# Allegro board Flatburn-main PCB.brd (continued)
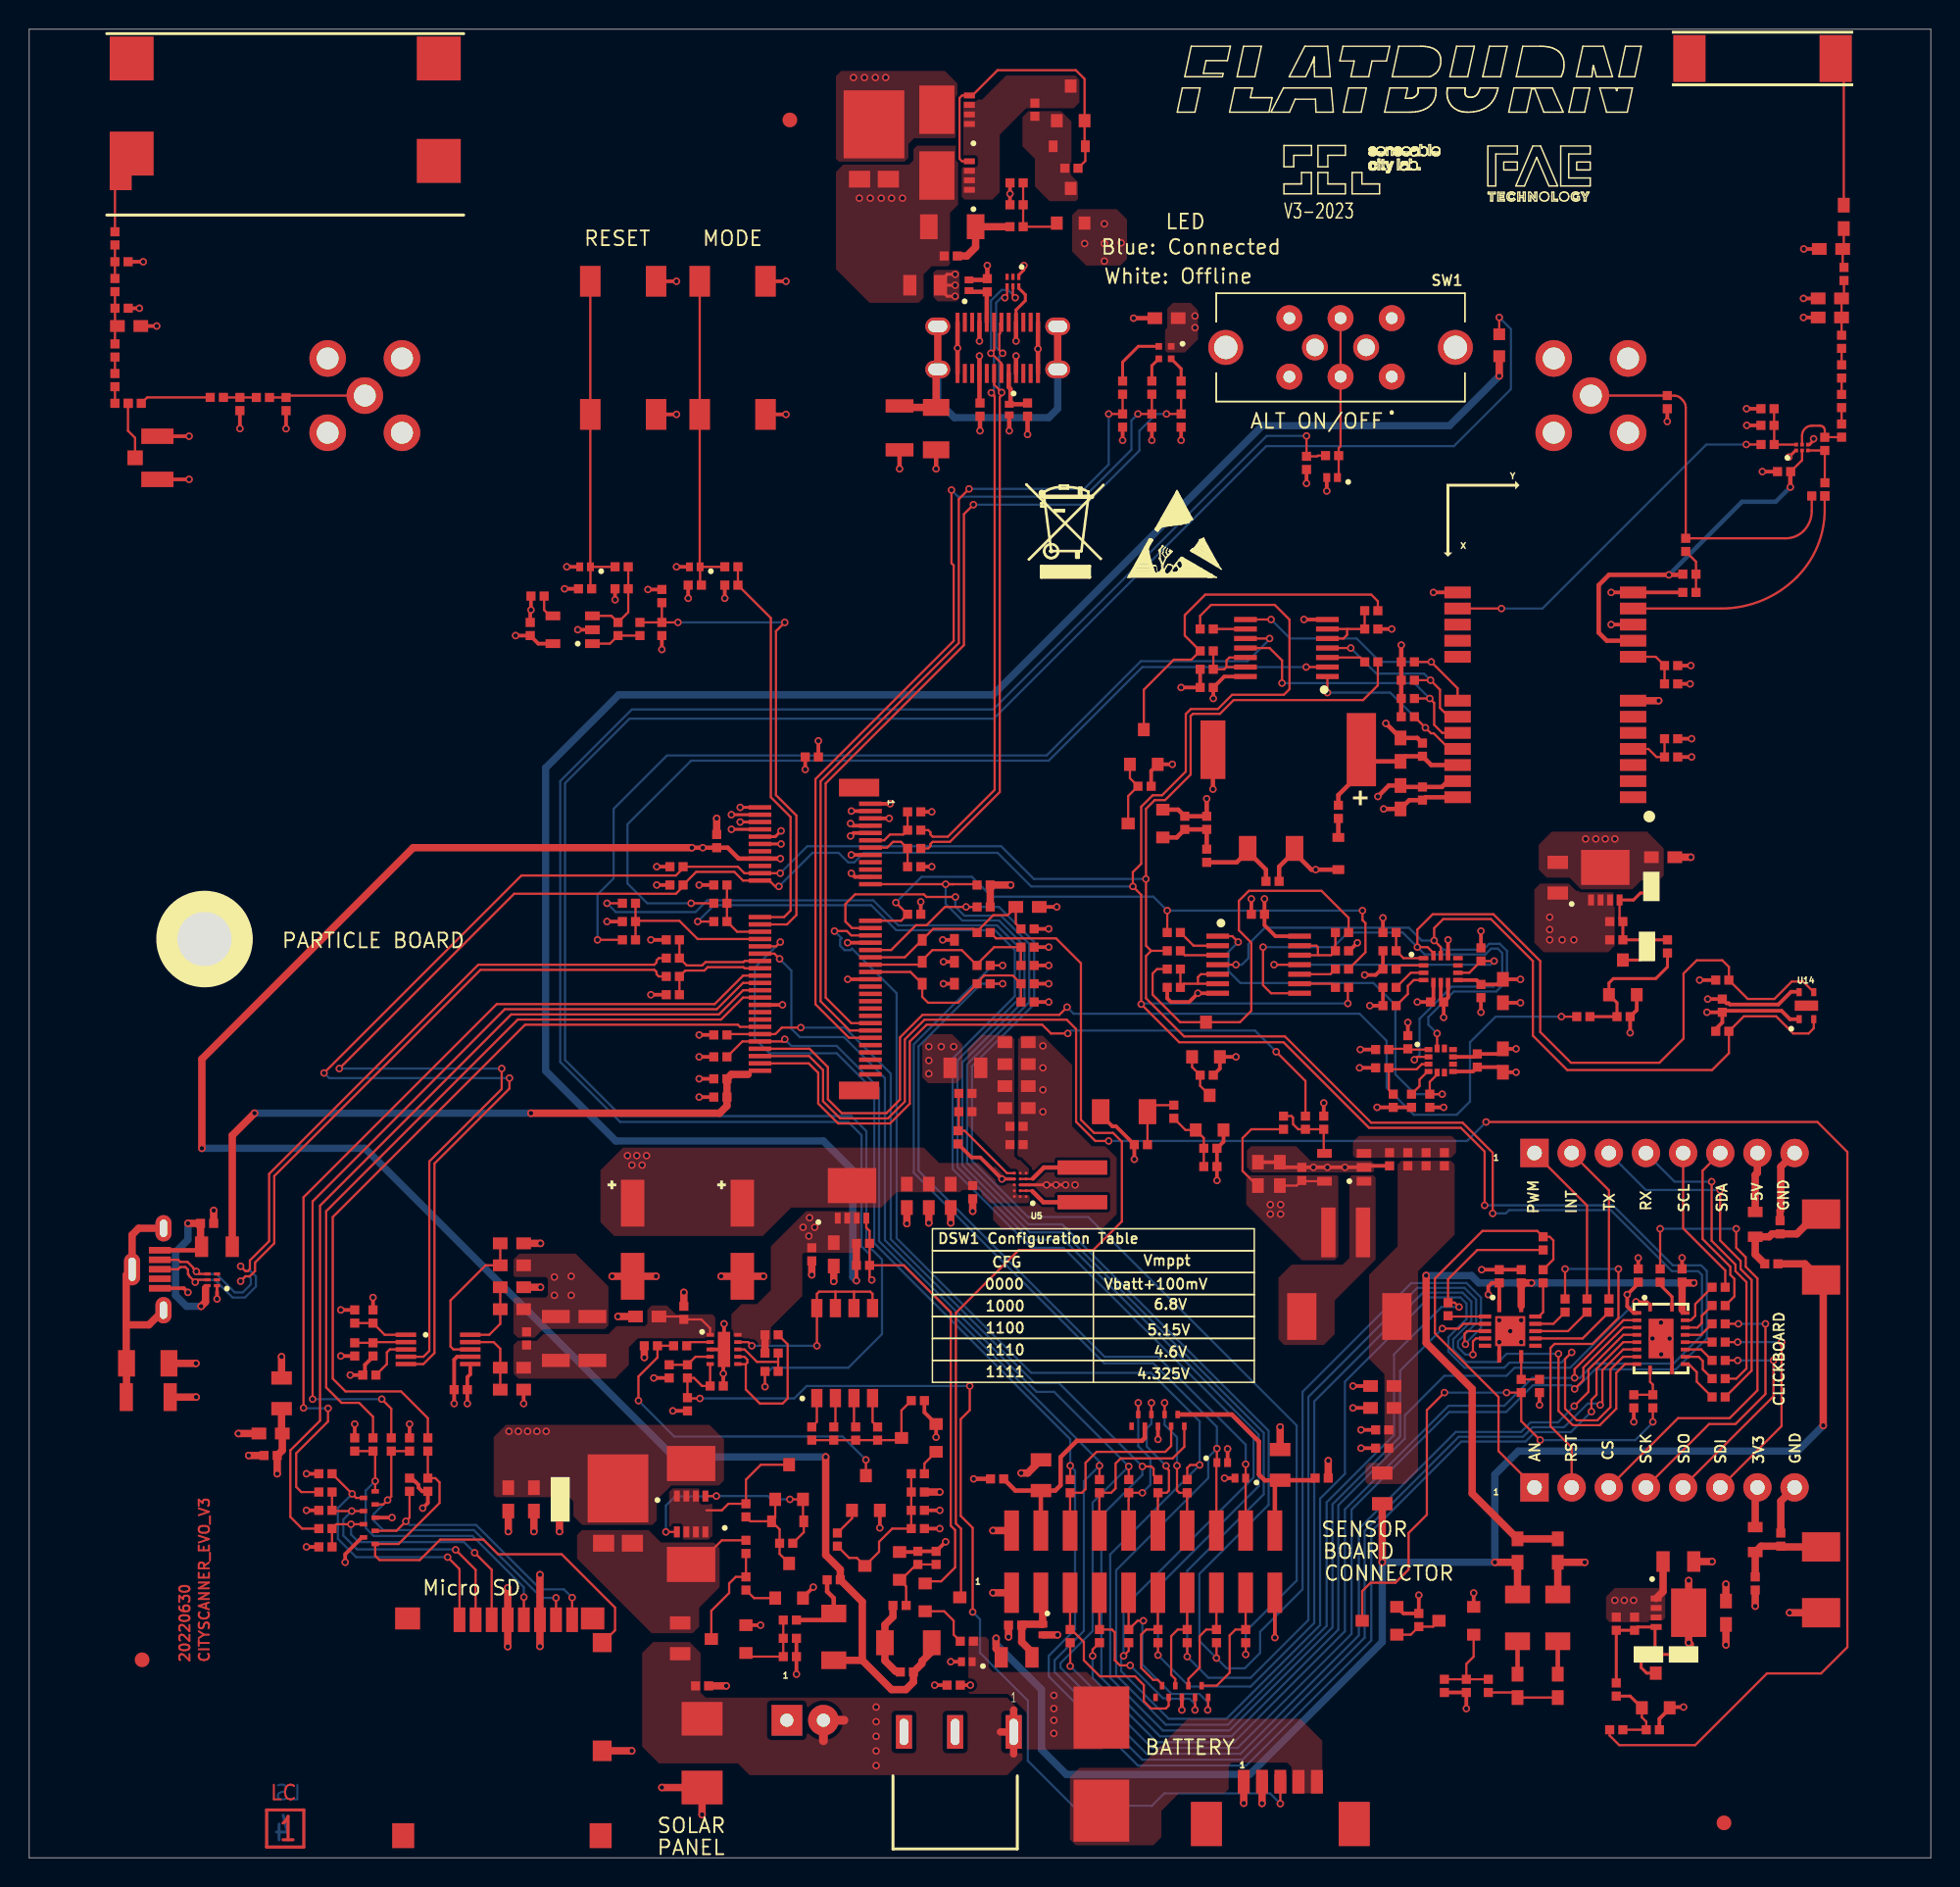
[diagram p0: board, top side]
## Routing (per net, layer and track width the routed paths; a pad name or vN(x,y) marks a point on that pad's centre or on a via; arc(x,y) is an arc through that point) (continued)
GND_ANALOG: length 10.9
  TOP w0.25: C74.2 v1(69.7,58.5) ; C72.2 v1(70.25,65) ; R149.1 v1(53.05,74.4) ; R145.1 v1(69.7,59.75) ; J12.49 v1(55.95,60.05) ; C73.2 v1(69.7,62.25) ; R144.1 v1(69.7,61) ; J12.39 v1(55.95,62.55) ; v1(64.34,11.8) R9.1 ; R143.1 v1(69.7,63.5)
GND_DIGITAL: length 377.3
  TOP w0.2: v1(68,108.85) 68,108.55 67.65,108.2 TVS3.1 ; U5.D3 v1(66.5,46.4) ; v1(121.99,97) 121.99,97 122,97 121.95,96.95 121.95,96.85 121.71,96.61 U16.4 ; v1(120.3,95.75) 120.76,96.21 U16.1 ; v1(70.85,46) v1(70.2,46) v1(69.55,46) U5.C1 U5.C2 ; 12.84,38.71 TVS6.1
  TOP w0.25: R223.1 R220.1 v1(91.65,58.25) ; Q25.2 81.65,48.95 R236.2 C100.1 v1(81.2,46.3) ; C98.2 97,58.8 U13.7 ; C98.2 v1(96.7,57.45) ; C98.2 96.5,58.7 U13.6 ; J12.3 v1(56.2,71.55) ; J12.9 56.35,70.05 v1(56.15,69.85) ; TVS9.2 v1(81.93,27.95) ; v1(92.15,51.3) C103.2 R251.2 ; C65.2 v1(42.3,86.7) ; R130.1 v1(34.3,85.3) 34.25,85.25 C62.2 ; U4.7 29.25,34.25 29.05,34.05 C30.2 v1(29.05,31.05) ; J12.1 v1(58.85,72.05) ; C8.1 v1(67.05,113.75) R17.1 ; R59.1 v1(109.7,29.8) ; Q15.2 60.7,20.9 R90.1 C33.2 v1(62.65,21.6) ; v1(62,28.75) Q16.2 61.2,30.45 R91.1 ; J15.2 v1(10.93,97.18) ; PB1.1 v1(44.25,107.77) ; U1.7 v1(100.5,35.25) ; v1(51.73,107.77) 50.75,107.77 PB2.1 ; U12.9 98.8,54.75 C93.2 100.4,54.95 C97.2 v1(101.65,55.3) ; v1(108.15,86.5) MOD1.12 C84.2 ; TVS17.2 v1(111.99,98.19) ; v1(52.45,12.55) C5.1 R7.1 ; L12.2 v1(8.71,104.71) ; J7.19 v1(85.16,15.05) ; R149.2 v1(53.95,76.35) ; J12.7 56.3,70.55 v1(56.15,70.7) ; J12.56 v1(51.5,58.3) ; R104.1 91.35,47.3 U6.2 v1(89.95,47.2) v1(88.75,47.2) v1(87.8,47.2) C55.2 85.85,47.2 C56.2 C57.2 ; R233.1 77.8,58.75 78.05,58.5 79.3,58.5 v1(79.9,59.1) U15.7 ; v1(114.75,58.7) C96.2 116.03,58.42 116.19,58.42 116.27,58.33 119.58,58.33 120.45,59.2 120.97,59.2 U14.4 ; C4.1 36.25,23.65 ; TVS7.3 v1(77.17,28.6) ; v1(66.5,46.4) 65.02,47.88 64.42,47.88 R103.1 ; U3.3 U3.11 ; U3.11 47.45,34.7 v1(47.45,33.1) C28.2 ; U3.11 v1(47.5,36.5) ; C18.2 C17.2 v1(99.3,40.2) ; C94.2 v1(101.95,58.45) ; C54.2 v1(91.05,28) ; C16.2 v1(113,41.01) ; Q12.2 v1(98.75,18.1) ; Q19.2 109.9,57.95 R115.1 v1(109.45,56.4) ; C51.2 v1(90.5,32.25) ; J12.21 56.45,67.05 v1(56.2,67.3) ; L20.2 v1(121.3,105.3) ; v1(10.85,38.65) 10.57,38.93 J8.5 ; C67.2 v1(61.7,71.5) ; R221.1 R222.1 92.45,60.75 92.05,60.35 v1(91.3,60.35) ; MOD1.13 v1(96,86.5) ; v1(98.25,10.2) C14.1 R57.2 ; Q5.2 52.9,17.8 v1(53.6,18.5) ; U2.11 112.31,34.19 111.56,34.94 U2.21 ; C15.2 v1(110,41) ; TVS2.2 v1(63,13.4) ; R92.1 v1(21.3,34.3) ; C68.2 v1(61.7,67.75) ; R60.1 v1(103.25,30.95) ; C99.2 v1(83.55,65.55) ; R235.1 90.25,62 v1(90.8,62.55) ; C83.1 v1(7.53,105.93) ; TVS14.2 v1(44.25,88.25) ; Q4.2 v1(50,15.9) ; R254.1 v1(91,55.25) ; R212.1 C91.2 v1(78.75,80) ; Q14.2 v1(58.15,22.55) ; MOD1.10 v1(108.15,84.3) ; C69.2 v1(42.5,59) ; U11.7 v1(87.15,84.65) ; R211.1 v1(93.15,84) ; J12.5 v1(58.8,71.05) ; L16.2 v1(121.32,109.98) ; J12.15 v1(56.2,68.55) ; TVS13.2 v1(36.75,88.25) ; R255.1 v1(113.65,76.5) ; U7.2 v1(37.5,83.95) ; C75.2 v1(45.8,53.25) ; PB2.2 v1(51.73,98.67) ; C35.2 v1(33.8,31.05) ; C63.2 v1(40.05,86) ; R240.1 v1(117.42,97.92) ; R9.2 v1(61.9,11.8) ; L19.2 v1(121.3,106.6) ; PB1.2 v1(44.25,98.67) ; C64.2 v1(47.55,86.1) ; R246.2 v1(14.4,97.7) ; R86.1 v1(44,30.55) ; v1(12.84,38.2) 12.84,38.71 ; C95.2 v1(99.25,57.8) ; C70.2 v1(42.5,62.75) ; v1(113.1,10.3) 112.2,10.3 Q20.2 112.15,10.2 111.45,9.5 R114.1 ; L13.2 v1(7.79,109.11) ; R146.1 v1(45.8,52) ; R93.1 v1(21.3,37.45) ; C29.2 v1(87.32,93.95) ; C27.2 v1(42.7,32.8) ; TVS12.2 v1(88.71,93.44) ; C53.2 v1(91.05,29.25) ; R94.1 v1(62.25,23.75) ; C37.2 v1(62.25,22.5) ; C52.2 v1(90.5,30.75) ; TVS11.3 v1(78.8,10.1) ; J15.3 v1(10.93,94.23) ; TVS15.3 v1(24.8,23.25) ; TVS16.2 v1(17.56,97.69) ; C101.2 v1(118.49,94.76) ; TVS8.2 v1(81.72,25.95) ; R105.1 v1(88.5,51.6) ; C90.2 v1(113.55,80.25)
  TOP w0.3: C6.1 v1(62,94.95) ; J6.A1 v1(68.96,103.15) J6.B12 ; v1(65.5,108.85) R16.1 65.41,107.87 TVS5.2 ; R15.1 v1(59.5,94.95) ; v1(80.5,72.4) R213.2 C92.1 78.55,71.65 Q23.2 ; C85.2 v1(80.92,73.05) ; C7.2 v1(65,97.55) ; C78.2 v1(75.5,105.25) ; C87.2 94.9,76.55 C86.2 v1(92.75,77.55) ; J6.B1 v1(63.46,103.2) J6.A12 ; R14.1 v1(68.25,97.3) ; C10.2 v1(64.57,25.9) ; MOD1.24 95.45,72.5 C88.2 94.35,72.3 C89.2 v1(92.6,71.7) ; TVS4.2 v1(67,97.55)
  TOP w0.5: J4.1 v1(83.03,3.73) ; J10.8 119.75,47.24 119.75,44.29 119.7,44.24 C20.2 ; v1(47.3,39.75) C21.2 v1(50.2,39.75) ; C3.2 v1(34.5,22.3) ; 36.25,23.65 v1(36.25,22.3) ; v1(43.25,4.8) TVS1.2 v1(46,2.95) ; R31.1 v1(11.41,31.49) ; C36.2 v1(53.5,39.85) ; C25.2 v1(40.25,37) ; C13.2 v1(12.61,44.25) ; C41.2 v1(60,43.35) ; C12.1 v1(11.4,33.8) ; C9.2 v1(88.81,27.14) ; C60.2 v1(113.6,68.4) ; C79.2 v1(15,27.5) ; C34.2 v1(34.95,39) ; J7.1 v1(65.88,18.12) ; C80.2 v1(14.3,29) ; C1.2 v1(47.65,11.75) ; C32.2 v1(55,39.4) ; R85.1 v1(42.05,34.2) ; J9.8 119.75,24.38 C19.1 ; v1(39.85,39.75) C23.2 v1(42.85,39.75) ; C61.2 v1(116,14.55) ; v1(34.91,14.45) J13.6 v1(34.91,19.35) ; C26.2 v1(44.75,38.65) ; J7.2 v1(65.88,22.37) ; C11.2 v1(66.95,15.1) ; C44.2 v1(64.5,44.2) ; C42.2 v1(61.5,43.4) ; J13.10 v1(41.19,7.31) ; C71.2 v1(47,71.05) ; C2.2 v1(32.75,22.3) ; C43.2 v1(63,43.4) ; TVS10.2 v1(70.3,15.23) ; MOD1.7 v1(111.4,79.1) ; J4.2 v1(84.28,3.72) ; C31.2 v1(34.95,42)
  GND w0.403: 104.23,100.89 J16.2 ; J16.2 105.83,102.5 ; J16.2 102.63,102.5 ; J16.2 104.23,104.1 ; 8.63,62.8 OBJ1.1 ; OBJ1.1 11.98,59.45 ; OBJ1.1 15.33,62.8 ; OBJ1.1 11.98,66.16 ; 63.3,7.1 J2.3 ; J2.3 63.3,10.1 ; J2.3 64.2,8.6 ; J2.3 62.4,8.6 ; 107.71,102.5 J16.3 ; J16.3 109.31,104.1 ; J16.3 110.91,102.5 ; J16.3 109.31,100.89 ; SW1.6 87.39,105.25 ; SW1.6 86.15,106.49 ; SW1.6 86.15,104.01 ; SW1.6 84.91,105.25 ; 104.23,95.81 J16.4 ; J16.4 102.63,97.42 ; J16.4 104.23,99.02 ; J16.4 105.83,97.42 ; J2.2 59.8,10.1 ; J2.2 60.7,8.6 ; J2.2 59.8,7.1 ; J2.2 58.9,8.6 ; 20.4,95.81 J14.4 ; J14.4 20.4,99.02 ; J14.4 22,97.42 ; J14.4 18.8,97.42 ; J9.8 122.01,25.32 ; J9.8 120.69,24 ; J9.8 120.69,26.64 ; 86.15,100.01 SW1.3 ; SW1.3 84.91,101.25 ; SW1.3 87.39,101.25 ; SW1.3 86.15,102.49 ; 51.8,8 J1.1 ; J1.1 50.39,9.4 ; J1.1 51.8,10.8 ; J14.3 25.48,104.1 ; J14.3 25.48,100.89 ; J14.3 23.88,102.5 ; J14.3 27.08,102.5 ; 109.31,95.81 J16.5 ; J16.5 110.91,97.42 ; J16.5 109.31,99.02 ; J16.5 107.71,97.42 ; J14.2 22,102.5 ; J14.2 20.4,100.89 ; J14.2 20.4,104.1 ; J14.2 18.8,102.5 ; 25.48,95.81 J14.5 ; J14.5 23.88,97.42 ; J14.5 27.08,97.42 ; J14.5 25.48,99.02 ; 120.69,46.86 J10.8 ; J10.8 122.01,48.18 ; J10.8 120.69,49.5
  GND w0.5: v1(71.5,46) v1(70.85,46)
  vias: v1(69.3,55.5) v1(69.3,54) v1(69.3,52.5) v1(69.3,51) v1(72.15,110.35) v1(73.5,111.7) v1(73.5,110.35) v1(73.5,109.15) v1(74.65,110.4) v1(100.5,36.75) v1(101.25,36) v1(102,36.75) v1(102,35.25) v1(110.97,35.5) v1(111.55,36.59) v1(111.57,34.42) v1(112.15,35.49)
VBAT: length 134.7
  TOP w0.25: C22.1 v1(56.55,39.45)
  TOP w0.5: C22.1 R65.1 ; R81.1 v1(62.25,25) ; R63.2 R64.2 ; LD1.2 v1(100.5,101.3)
  BOTTOM w0.5: v1(56.55,39.45) 56.3,39.7 56.3,47 54.3,49 40.1,49 35.3,53.8 35.3,74.5 40.3,79.5 65.9,79.5 84.3,97.9 97.1,97.9 v1(100.5,101.3)
  vias: v1(52.9,43.1) v1(53.3,42.5) v1(53.35,43.75) v1(53.7,43.1) v1(70.05,11.1) v1(70.05,10.2) v1(70.05,9.4) v1(70.05,8.5)
VBAT#: length 16.6
  TOP w0.15: C57.1 83.95,45.95 82.95,46.95 82.95,49.2 83.55,49.8 R97.2 ; U6.5 87.05,46.25 C55.1 86.65,45.95 C56.1
  TOP w0.2: J12.8 v1(48,70.3) ; J12.6 v1(48.6,70.8) ; J12.2 v1(48.6,71.8) ; J12.4 v1(48,71.3)
  vias: v1(40.9,48) v1(41.2,47.35) v1(41.53,48) v1(41.9,47.35) v1(42.2,48) v1(84.85,44.65) v1(84.85,44) v1(85.55,44.65) v1(85.55,44)
VBAT_SENSE: length 60.2
  TOP w0.15: Q8.3 63.7,17.88 63.7,22.5 63.35,22.85 63.35,37.25 67.65,41.55 72.75,41.55 74.7,43.5 74.7,48.95 74.1,49.55 72.8,49.55 71.9,50.45 71.9,61.15 70.2,62.85 66.1,62.85 R133.1
ACC_I2C_INT: length 27.2
  TOP w0.15: U12.5 96.25,53.54 95.75,53.04 R219.1 v1(96.6,52.2) ; U15.1 82.25,63 v1(82.65,62.6)
  BOTTOM w0.15: v1(82.65,62.6) 81.99,61.94 81.99,60.61 82.8,59.8 91.9,59.8 93.4,58.3 93.4,53.55 94.75,52.2 v1(96.6,52.2)
EN_3V3#: length 144.7
  TOP w0.15: v1(99.6,50.3) 122.25,50.3 124.3,48.25 124.3,14.4 122.5,12.6 118.8,12.6 113.9,7.7 108.7,7.7 108.05,8.35 R111.1 ; v1(73.8,49) 72.88,49 71.57,50.31 71.57,56.65 70.93,57.29 61.21,57.29 59.86,55.94 59.86,51.69 58.71,50.54 55.44,50.54 54.27,51.71 54.27,53.85 53.32,54.8 J12.70
  BOTTOM w0.15: v1(73.8,49) 98.3,49 v1(99.6,50.3)
EN_3V3_GPS: length 74.5
  TOP w0.15: v1(70.95,58.15) 70.42,57.62 61.07,57.62 59.53,56.08 59.53,51.83 58.6,50.9 55.55,50.9 54.6,51.85 54.6,54.05 53.35,55.3 J12.68 ; R113.1 v1(104.75,57.5)
  BOTTOM w0.15: v1(70.95,58.15) 71.4,57.7 90.95,57.7 92.8,55.85 92.8,52.65 94.66,50.79 97.59,50.79 98.5,51.7 98.5,55.75 100.25,57.5 v1(104.75,57.5)
EN_5V: length 49.7
  TOP w0.15: J12.72 53.3,54.3 53.94,53.66 53.94,51.56 55.3,50.2 58.85,50.2 60.2,51.55 60.2,55.8 61.35,56.95 69.25,56.95 69.85,56.35 v1(71,56.35) ; v1(85.25,55.1) 87.25,53.1 R102.2
  BOTTOM w0.15: v1(71,56.35) 71.2,56.55 83.8,56.55 v1(85.25,55.1)
EXP_3V3: length 16.2
  TOP w0.3: 85.51,25.8 84.47,25.8 84.07,26.2 84.07,28.45 82.22,30.3 TVS7.6 ; 85.51,25.8 85.16,25.45 J7.20 ; 85.51,25.8 L3.2 87.76,25.81 C9.1
EXP_3V3#: length 16.1
  TOP w0.3: J7.4 69.16,25.09 L5.2 ; TVS7.2 76.27,28.7 76.07,28.5 71.62,28.5 70.51,27.39 70.51,25.46 70.14,25.1 L5.2 ; L5.2 67.42,25.1 C10.1
EXP_5: length 13.5
  TOP w0.15: TVS11.2 77.9,10.4 77.7,10.2 76.7,10.2 76.2,10.7 76.2,11.8 75.6,12.4 73.2,12.4 72.1,13.5 72.1,14.75 71.25,15.6 R29.2 71.16,15.61 J7.5
EXP_5V: length 6.2
  TOP w0.5: J7.3 69.28,17.99 69.28,15.98 TVS10.1 67.91,15.96 C11.1 67.85,14.75 68.55,14.05 L6.1
EXP_6: length 13.2
  TOP w0.15: J7.6 71.16,24.94 R28.1 71.97,24.95 72.22,25.2 72.22,27 72.97,27.75 77.67,27.75 78.07,28.15 TVS7.4
EXP_7: length 13.5
  TOP w0.15: J7.7 73.16,15.61 R27.2 74.02,15.6 74.22,15.4 74.22,13.5 74.57,13.15 v1(75.27,13.15) ; TVS11.4 79.7,10.36 v1(79.7,10.1)
  BOTTOM w0.15: v1(75.27,13.15) 77.52,10.9 77.93,10.9 77.96,10.87 79.33,10.87 79.7,10.5 v1(79.7,10.1)
EXP_8: length 12.1
  TOP w0.15: TVS7.5 78.97,28.1 78.17,27.3 74.62,27.3 74.27,26.95 74.27,25.25 73.97,24.95 R26.1 73.17,24.44 73.16,24.43 J7.8
EXP_9: length 13.7
  TOP w0.15: v1(80.57,10.1) 80.57,10.31 80.6,10.35 TVS11.5 ; v1(76.17,16.2) 75.77,16.2 R25.2 75.16,15.61 J7.9
  BOTTOM w0.15: v1(76.17,16.2) 76.1,16.13 76.1,13.2 78.1,11.2 80,11.2 80.57,10.63 v1(80.57,10.1)
EXP_10: length 11
  TOP w0.15: v1(76.1,24.95) R24.1 75.17,24.44 75.16,24.43 J7.10 ; TVS7.9 v1(75.82,31.1)
  BOTTOM w0.15: v1(76.1,24.95) 76.65,25.5 76.65,27.3 75.82,28.13 v1(75.82,31.1)
EXP_11: length 8.1
  TOP w0.15: TVS11.9 77.45,11.87 77.15,12.16 76.84,12.16 76.02,12.98 76.02,15.25 76.37,15.6 R23.2 77.16,15.61 J7.11
EXP_12: length 11
  TOP w0.15: J7.12 77.16,24.43 77.17,24.44 R22.1 77.77,24.95 77.92,25.1 77.92,26.49 77.72,26.69 v1(77.72,26.79) ; TVS7.8 v1(76.72,31.1)
  BOTTOM w0.15: v1(76.72,31.1) 76.72,29.67 76.4,29.35 76.4,28.11 v1(77.72,26.79)
EXP_13: length 7.3
  TOP w0.15: TVS11.8 78.35,12.22 78.07,12.5 78.07,15.15 78.52,15.6 R21.2 79.16,15.61 J7.13
EXP_14: length 10.5
  TOP w0.15: v1(77.62,31.1) TVS7.7 ; J7.14 79.16,24.94 R20.1 78.62,24.95 78.47,25.1 v1(78.47,26.8)
  BOTTOM w0.15: v1(78.47,26.8) 78.47,28.75 77.62,29.6 v1(77.62,31.1)
EXP_15: length 7.6
  TOP w0.15: J7.15 81.16,15.61 R19.2 80.47,15.6 80.02,15.15 80.02,13 79.25,12.23 TVS11.7
EXP_17: length 8.6
  TOP w0.15: J7.17 83.16,15.61 R18.2 82.47,15.6 82.07,15.2 82.07,12.65 81.18,11.76 TVS11.6
GPS_LNA_EN: length 25.4
  TOP w0.15: v1(100.65,85.4) MOD1.14 ; R242.1 v1(117.39,96.61)
  BOTTOM w0.15: v1(117.39,96.61) 114.66,96.61 103.45,85.4 v1(100.65,85.4)
GPS_RX: length 62.5
  TOP w0.15: v1(38.85,62.75) R142.1 ; U11.10 v1(84.8,83.35)
  BOTTOM w0.15: v1(84.8,83.35) 84.8,83.3 83.3,81.8 76,81.8 69.55,75.35 43.6,75.35 39.95,71.7 39.95,66.95 38.85,65.85 v1(38.85,62.75)
GPS_RXD/SPI_MOSI: length 12.7
  TOP w0.15: MOD1.21 97.09,75.8 96.02,76.87 95.83,76.87 v1(95.45,77.25) R185.1 ; U11.1 v1(88.75,79.65)
  BOTTOM w0.15: v1(95.45,77.25) 93.05,79.65 v1(88.75,79.65)
GPS_SCL/SPI_CLK: length 12.7
  TOP w0.15: v1(90.35,82.7) U11.4 ; R187.1 v1(95.8,80.5) 96.45,79.85 96.45,78.6 97.05,78 MOD1.19
  BOTTOM w0.15: v1(90.35,82.7) 92.1,80.95 95.35,80.95 v1(95.8,80.5)
GPS_SDA/SPI_CS: length 18.4
  TOP w0.15: R188.1 v1(95.85,81.75) 97.65,79.95 MOD1.18 ; v1(84.9,84.65) U11.8
  BOTTOM w0.15: v1(84.9,84.65) 86.2,83.35 90.75,83.35 92.35,81.75 v1(95.85,81.75)
GPS_TX: length 62.8
  TOP w0.15: R140.1 v1(45.25,65.25) ; U11.2 v1(87.3,81.4)
  BOTTOM w0.15: v1(87.3,81.4) 76.1,81.4 69.7,75 45.25,75 40.9,70.65 40.9,66.6 42.25,65.25 v1(45.25,65.25)
GPS_TXD/SPI_MISO: length 19.7
  TOP w0.15: U11.11 84.8,82.7 85.65,81.85 v1(85.65,80.3) ; R186.1 v1(95.75,79.25) 96.05,78.95 96.05,77.45 96.6,76.9 MOD1.20
  BOTTOM w0.15: v1(95.75,79.25) 94.7,80.3 v1(85.65,80.3)
GPS_VCC_RF: length 25.5
  TOP w0.15: C101.1 121.2,95.54 U16.2
  TOP w0.3: C101.1 120.4,94.74 v1(120.4,93.7) ; R191.1 113,87.7 v1(112.1,87.7) 108,87.7 107.3,87 107.3,83.75 107.85,83.2 MOD1.9
  BOTTOM w0.3: v1(112.1,87.7) 117.1,92.7 119.4,92.7 v1(120.4,93.7)
I2C_SCL: length 258.9
  TOP w0.15: v1(32.83,53.3) 32.83,52.58 27.7,47.46 27.7,34.51 26.94,33.75 U4.5 ; v1(105.65,32.81) 105.65,33.41 109,36.75 109.91,36.75 U2.3 ; R202.1 92.2,80.15 91.19,79.14 82.34,79.14 81.4,78.2 79.55,78.2 79.4,78.05 79.4,74.05 77.66,72.31 76.94,72.31 76.35,71.71 76.35,66.92 v1(76.34,66.91) 76.35,66.9 76.35,62.35 76.7,62 ; 76.7,62 76.35,61.65 76.35,58.75 78.95,56.15 85.84,56.15 91.75,50.25 98,50.25 100.05,48.2 v1(100.05,44.05) ; 76.7,62 R226.1 ; v1(20.15,53.65) 33.65,67.15 44.21,67.15 44.7,67.64 R126.1 48.45,67.75 48.9,67.3 J12.20 v1(51.35,67.3) ; v1(72.7,13.8) 72.7,14.23 R27.1
  BOTTOM w0.15: v1(51.35,67.3) 53.19,69.15 66.45,69.15 68.69,66.91 v1(76.34,66.91) ; 105.65,32.8 106,32.8 106.98,33.78 112.41,33.78 114.36,35.73 114.36,39.84 114.1,40.1 112.3,40.1 108.13,44.27 101.17,44.27 100.95,44.05 v1(100.05,44.05) ; 105.65,32.8 102.75,32.8 100.85,30.9 97.03,30.9 89.95,23.82 89.95,15.48 82.37,7.9 77.1,7.9 72.7,12.3 v1(72.7,13.8) ; 105.65,32.8 v1(105.65,32.81) ; v1(32.83,53.3) 20.5,53.3 v1(20.15,53.65)
I2C_SDA: length 278.2
  TOP w0.15: v1(71.17,13.1) R29.1 ; v1(21.2,53.95) 33.15,65.9 44.21,65.9 44.7,66.39 R121.1 45.6,67.4 48.2,67.4 48.8,66.8 J12.22 50.6,66.8 51,66.4 v1(51.25,66.4) ; v1(32.3,53.95) 32.3,52.55 27.35,47.6 27.35,34.65 26.95,34.25 U4.4 ; R209.1 80.05,84.9 80.8,85.65 85.15,85.65 86.16,84.64 86.16,79.89 85.77,79.5 82.23,79.5 81.26,78.53 79.41,78.53 79.07,78.19 79.07,74.26 77.45,72.64 76.81,72.64 76.02,71.85 76.02,67.95 75.45,67.38 v1(75.45,66.4) 76.02,65.83 v1(76.02,58.35) 78.62,55.75 85.75,55.75 91.6,49.9 97.88,49.9 99.5,48.28 v1(99.5,44.6) ; R231.1 90.15,59.45 v1(90.15,58.4) ; U2.4 109.91,36.25 108.99,36.25 106.25,33.51 106.25,32.65 v1(105.65,32.05)
  BOTTOM w0.15: v1(71.17,13.1) 76.77,7.5 82.6,7.5 90.4,15.3 90.4,23.8 97.07,30.47 100.97,30.47 102.8,32.3 105.4,32.3 v1(105.65,32.05) 105.72,32.05 107.05,33.39 112.57,33.39 114.69,35.5 114.69,40.11 114.3,40.5 112.37,40.5 108.27,44.6 v1(99.5,44.6) ; v1(75.45,66.4) 68.5,66.4 66.2,68.7 57.07,68.7 56.41,68.05 55.99,68.05 55.33,68.7 53.55,68.7 v1(51.25,66.4) ; v1(90.15,58.4) 76.07,58.4 v1(76.02,58.35) ; v1(21.2,53.95) v1(32.3,53.95)
IMU_I2C_INT: length 19.7
  TOP w0.15: U15.11 v1(85.1,61.05) ; v1(100.15,61.3) R215.1 98.45,60.5 U13.9
  BOTTOM w0.15: v1(85.1,61.05) 99.9,61.05 v1(100.15,61.3)
IMU_INT: length 43.5
  TOP w0.15: v1(77.8,64.75) R224.2 ; R218.1 91.35,61.9 91.35,63.9 91.15,64.1 v1(91.15,64.75) ; J12.33 59.6,64.05 R154.1 v1(59.25,65.3)
  BOTTOM w0.15: v1(59.25,65.3) 61.01,67.06 64.44,67.06 65.8,65.7 76.85,65.7 v1(77.8,64.75) v1(91.15,64.75)
LED_B_NEN: length 62.6
  TOP w0.15: v1(63.05,93.5) 63.05,88.5 63.2,88.35 63.2,83.19 53.75,73.74 53.75,58.35 56.05,56.05 J12.65 ; R177.2 R172.1 v1(75.8,98.7)
  BOTTOM w0.15: v1(75.8,98.7) 75.35,98.25 75.35,96.25 72.15,93.05 63.5,93.05 v1(63.05,93.5)
LED_G_NEN: length 59.5
  TOP w0.15: v1(73.8,98.7) R173.1 R178.2 ; v1(64.25,93.58) 63.55,92.88 63.55,83.04 54.1,73.59 54.1,58.55 56.1,56.55 J12.63
  BOTTOM w0.15: v1(73.8,98.7) 73.8,95.25 72.13,93.58 v1(64.25,93.58)
LED_R_NEN: length 60.6
  TOP w0.15: v1(77.75,98.7) R171.1 R176.1 ; J12.61 56.2,57.05 54.45,58.8 54.45,73.45 63.9,82.9 63.9,91.85 v1(64.55,92.5)
  BOTTOM w0.15: v1(64.55,92.5) 72.2,92.5 75.9,96.2 75.9,97.55 77.05,98.7 v1(77.75,98.7)
NOISE_AN: length 52.9
  TOP w0.15: R136.2 v1(66.55,59.75) ; v1(83.16,26.9) TVS8.1 83.16,25.95 J7.18
  BOTTOM w0.15: v1(66.55,59.75) 65.08,59.75 60.8,55.47 60.8,46.97 73.52,34.25 77.15,34.25 83.16,28.24 v1(83.16,26.9)
NOISE_INT: length 78.5
  TOP w0.15: R120.1 v1(64.05,65) 62.6,65 61.35,63.75 60.62,63.75 58.93,62.05 J12.41 ; R18.1 v1(83.17,13.9)
  BOTTOM w0.15: v1(83.17,13.9) 83.17,15.47 86.65,18.95 86.65,29.55 72.4,43.8 68.28,43.8 64.45,47.63 64.45,54.1 68.7,58.35 68.7,62.6 66.3,65 v1(64.05,65)
NTC_BAT: length 72.8
  TOP w0.15: v1(64.5,16.8) 64.5,22.55 63.68,23.37 63.68,29.98 64.3,30.6 v1(64.3,32.25) ; v1(45.85,31.4) 45.05,31.4 R86.2 R70.1 45.45,32.8 46,32.25 C28.1 U3.5 ; J5.3 J4.3 v1(85.53,3.7)
  BOTTOM w0.15: v1(64.3,32.25) 53.15,32.25 52.3,31.4 v1(45.85,31.4) ; v1(85.53,3.7) 84.83,4.4 77.6,4.4 76.75,3.55 71.35,3.55 68.27,6.63 68.27,10.73 65,14 65,16.3 v1(64.5,16.8)
ON/OFF: length 146.9
  TOP w0.15: v1(57.6,39.5) 57.45,39.65 C22.2 ; Q13.4 57.22,43.08 57.45,42.85 R65.2 C22.2 ; Q8.1 61.4,18.9 62.35,18.9 63.3,19.85 63.3,22.4 63,22.7 63,37.3 59.8,40.5 C22.2 ; R77.2 88.11,95.85 88.06,95.8 C29.1 v1(87.32,97.2)
  BOTTOM w0.15: v1(57.6,39.5) 57.45,39.65 57.45,41.25 56.9,41.8 56.9,49.4 56,50.3 40.4,50.3 36.3,54.4 36.3,73.6 41.2,78.5 65.9,78.5 84.6,97.2 v1(87.32,97.2)
SNSR_I2C_SCL: length 72.4
  TOP w0.15: U12.12 v1(96.25,56.35) ; U14.2 122,56.7 121.65,56.35 120.6,56.35 119.43,57.52 117.22,57.52 R216.1 116.2,55 115.05,53.85 105.15,53.85 102.8,56.2 102.8,61.3 99.93,64.17 96.67,64.17 96.05,63.55 v1(96.05,62.7) 96.5,62.25 U13.13 ; U15.4 v1(82.5,61.05)
  BOTTOM w0.15: v1(82.5,61.05) 82.9,61.05 83.35,61.5 83.35,62.45 84.48,63.58 94.32,63.58 95.2,62.7 v1(96.05,62.7) 96.67,62.08 99.41,62.08 99.81,62.48 100.54,62.48 101.03,61.99 101.03,59.95 100.3,59.22 97.4,59.22 95.65,57.47 95.65,56.95 v1(96.25,56.35)
SNSR_I2C_SDA: length 80.6
  TOP w0.15: v1(84.35,62.25) 84.35,59.65 84.9,59.1 U15.8 ; U13.14 96,61.85 95.6,62.25 v1(94.9,62.25) 94.9,63.45 95.95,64.5 100.1,64.5 103.3,61.3 103.3,56.45 105.4,54.35 111.45,54.35 113.1,56 113.1,60.45 114,61.35 115.75,61.35 116.2,60.9 R217.1 117.49,58.71 119.31,58.71 120.5,59.9 121.27,59.9 U14.3 ; U12.2 94.9,54.75 v1(94.7,54.55)
  BOTTOM w0.15: v1(84.35,62.25) 89.15,62.25 90.15,63.25 93.9,63.25 v1(94.9,62.25) 95.4,61.75 99.55,61.75 99.95,62.15 100.4,62.15 100.7,61.85 100.7,60.15 100.1,59.55 97.25,59.55 95.05,57.35 95.05,54.9 v1(94.7,54.55)
SPI1_MISO: length 120.2
  TOP w0.15: U2.7 109.91,34.75 108.97,34.75 107.55,33.33 107.55,31.1 v1(107.4,30.95) ; R153.1 48.75,55.8 J12.66 51.5,55.8 v1(51.65,55.95) ; R26.2 v1(73.17,26.8)
  BOTTOM w0.15: v1(51.65,55.95) 52.1,55.5 55.2,55.5 58.1,52.6 58.1,42.15 73.17,27.08 v1(73.17,26.8) 72.1,25.73 72.1,15.5 70.1,13.5 70.1,12.7 76.1,6.7 82.95,6.7 91.3,15.05 91.3,22.35 97.73,28.78 102.13,28.78 102.78,29.43 104.93,29.43 106.55,31.05 107.3,31.05 v1(107.4,30.95)
SPI1_MOSI: length 126.5
  TOP w0.15: v1(106.8,30.5) 106.8,31.3 107.15,31.65 107.15,33.42 108.98,35.25 109.91,35.25 U2.6 ; v1(51.35,62.6) 51.05,62.3 J12.40 ; R28.2 v1(71.17,26.8)
  BOTTOM w0.15: v1(106.8,30.5) 105.4,29.1 102.95,29.1 102.3,28.45 97.9,28.45 91.75,22.3 91.75,14.85 83.2,6.3 75.8,6.3 69.7,12.4 69.7,13.8 71.5,15.6 71.5,26.47 v1(71.17,26.8) 71.17,28.62 57.77,42.01 57.77,52.43 55.2,55 50.6,55 49.6,56 49.6,60.85 v1(51.35,62.6)
SPI1_SCK: length 124
  TOP w0.15: R24.2 v1(75.17,26.75) ; v1(51.3,61.45) 50.95,61.8 J12.42 ; U2.5 109.91,35.75 108.98,35.75 106.6,33.37 106.6,31.85 v1(105.62,30.88)
  BOTTOM w0.15: v1(51.3,61.45) 52.1,60.65 52.1,56.68 52.68,56.1 55.7,56.1 58.5,53.3 58.5,42.22 68.87,31.85 70.07,31.85 v1(75.17,26.75) 72.7,24.28 72.7,15.5 70.5,13.3 70.5,13 76.4,7.1 82.8,7.1 90.9,15.2 90.9,22.48 97.53,29.11 101.99,29.11 102.64,29.76 104.51,29.76 v1(105.62,30.88)
UART_RX: length 11.5
  TOP w0.15: J12.38 45.7,62.8 44.45,64.05 41.5,64.05 R127.1 ; R141.2 R127.1 ; R127.1 R142.2
UART_TX: length 5
  TOP w0.15: R122.1 R140.2 R139.2 48.4,63.3 J12.36
UBUS_AN: length 125.9
  TOP w0.15: v1(81.2,27.97) TVS9.1 81.16,26.98 J7.16 ; R135.1 v1(66.55,61) ; R35.1 99,41.55 97,39.55 R38.1 97.45,37.95 v1(97.75,37.65)
  BOTTOM w0.15: v1(97.75,37.65) 96.55,37.65 93.3,34.4 93.3,28.9 88.7,24.3 88.7,15.85 81.95,9.1 77.7,9.1 74.31,12.49 74.31,19.66 80.6,25.95 80.6,27.38 v1(81.2,27.97) 81.2,29.45 76.85,33.8 73.5,33.8 60.47,46.83 60.47,55.61 65.86,61 v1(66.55,61)
UBUS_CS: length 122.6
  TOP w0.15: R239.1 47.75,56.3 J12.64 51,56.3 51.45,56.75 v1(52.75,56.75) ; R22.2 76.87,26.15 76.87,26.6 76.72,26.75 v1(76.1,26.75)
  TOP w0.2: U2.1 110.81,37.8 110.61,38 v1(109.85,38)
  BOTTOM w0.15: v1(52.75,56.75) 55.75,56.75 58.9,53.6 58.9,42.28 68.73,32.45 70.4,32.45 v1(76.1,26.75) 76.1,26.17 73.3,23.37 73.3,12.3 77.3,8.3 82.2,8.3 89.5,15.6 89.5,24.1 94.05,28.65 94.05,30.25 96.75,32.95 101,32.95 101.55,33.5 105.35,33.5 v1(109.85,38)
UBUS_EN: length 37.2
  TOP w0.15: v1(96.75,31.8) 95.55,30.6 95.55,23.45 94.3,22.2 94.3,19.7 93.4,18.8 91.7,18.8 91.13,18.23 Q11.3 ; v1(111,29.8) R54.2 ; v1(101,31.8) R53.2 102,29.85 v1(103.3,28.55)
  BOTTOM w0.15: v1(96.75,31.8) v1(101,31.8) ; v1(111,29.8) 111,29.75 109.8,28.55 v1(103.3,28.55)
UBUS_INT: length 126.6
  TOP w0.15: 63.15,66.55 64.75,66.55 R123.1 ; 63.15,66.55 63.15,66.55 v1(62.65,66.55) ; 63.15,66.55 J12.23 ; R21.1 v1(79.17,13.75) ; U1.5 98.9,35.5 98.7,35.3 v1(98.7,34.4)
  BOTTOM w0.15: v1(62.65,66.55) 62.65,65.21 63.79,64.07 66.3,64.07 68.04,62.33 68.04,58.62 63.79,54.37 63.79,47.36 68.4,42.75 70.7,42.75 84.4,29.05 84.4,24.85 79.17,19.62 v1(79.17,13.75) 80.62,12.3 83.5,12.3 87.45,16.25 87.45,31.5 94.91,38.96 98.12,38.96 98.92,38.16 98.92,36.55 97.68,35.31 97.68,34.89 98.17,34.4 v1(98.7,34.4)
UBUS_PWM: length 126
  TOP w0.15: v1(98.19,35.1) 98.13,35.1 98.13,35.83 98.3,36 U1.4 ; v1(63.32,65.68) 61.34,65.68 61.16,65.86 56.46,65.86 55.8,65.2 55.8,64 56.25,63.55 J12.35 ; R19.1 v1(81.17,13.65)
  BOTTOM w0.15: v1(98.19,35.1) 98.19,35.16 99.25,36.22 99.25,38.3 98.26,39.29 94.49,39.29 87.05,31.85 87.05,18.35 84.15,15.45 84.15,14 83.1,12.95 81.87,12.95 v1(81.17,13.65) 80,14.82 80,19.4 84.73,24.13 84.73,29.19 70.62,43.3 68.32,43.3 64.12,47.5 64.12,54.24 68.37,58.49 68.37,62.46 66.43,64.4 63.93,64.4 63.32,65.01 v1(63.32,65.68)
UBUS_RST: length 119.8
  TOP w0.15: v1(96.61,36.18) 97.72,36.18 98.05,36.5 U1.3 ; v1(55.05,63.35) 55.9,63.35 56.2,63.05 J12.37 ; R20.2 79.17,26.65 79.37,26.85 v1(80.02,26.85)
  BOTTOM w0.15: v1(55.05,63.35) 55.54,62.86 55.44,62.77 55.44,62.34 55.73,62.05 56.16,62.05 56.26,62.14 59.3,59.1 59.3,42.35 68.5,33.15 76.7,33.15 80.02,29.83 v1(80.02,26.85) 73.9,20.73 73.9,12.3 77.5,8.7 82.05,8.7 89.1,15.75 89.1,24.17 93.72,28.79 93.72,33.29 v1(96.61,36.18)
UBUS_RX: length 161.9
  TOP w0.15: U2.9 109.91,33.75 109.1,33.75 108.5,33.15 108.5,30.7 107.37,29.57 105.53,29.57 104.55,30.55 v1(104.55,34.45) ; R23.1 v1(77.17,13.85) ; R141.1 v1(39.5,65.25)
  BOTTOM w0.15: v1(104.55,34.45) 101,34.45 100.44,33.89 98.21,33.89 97.35,34.75 97.35,35.45 98.59,36.69 98.59,38.03 97.99,38.63 95.28,38.63 87.85,31.2 87.85,16.05 83.5,11.7 79.32,11.7 v1(77.17,13.85) 77.17,18.52 84.05,25.4 84.05,28.93 70.73,42.25 68.43,42.25 63.46,47.22 63.46,54.51 67.71,58.76 67.71,62.19 66.16,63.74 59.41,63.74 57.7,65.45 46.35,65.45 45.55,64.65 40.1,64.65 v1(39.5,65.25)
UBUS_SOCKET_3V3: length 2.8
  TOP w0.5: J9.7 118,25.17 F2.1
UBUS_SOCKET_5V: length 4.1
  TOP w0.5: J10.7 118.15,46.83 118,46.68 F3.2
UBUS_SOCKET_AN: length 29.1
  TOP w0.15: R39.2 104.2,40.9 104.2,42.2 103.95,42.45 R35.2 103.1,42.85 99.35,42.85 96.1,39.6 96.1,35.85 100.45,31.5 100.45,27.8 102.91,25.34 J9.1
UBUS_SOCKET_CS: length 32.5
  TOP w0.15: v1(111.5,43) R32.2 ; v1(116.7,43) 116.7,41.7 117.35,41.05 117.35,40.4 118.15,39.6 118.15,31.95 116.25,30.05 112.72,30.05 J9.3
  BOTTOM w0.15: v1(116.7,43) v1(111.5,43)
UBUS_SOCKET_INT: length 11
  TOP w0.15: R45.2 108,45.63 J10.2
UBUS_SOCKET_MISO: length 14.5
  TOP w0.15: R46.2 v1(116.8,34) ; v1(119.25,34) 119.25,31.55 113.07,25.37 J9.5
  BOTTOM w0.15: v1(116.8,34) v1(119.25,34)
UBUS_SOCKET_MOSI: length 15.5
  TOP w0.15: v1(119.8,35.25) 119.8,29.51 J9.6 ; v1(116.8,35.25) R44.2
  BOTTOM w0.15: v1(119.8,35.25) v1(116.8,35.25)
UBUS_SOCKET_PWM: length 11.5
  TOP w0.15: R43.2 106.5,44.59 J10.1
UBUS_SOCKET_RST: length 24.7
  TOP w0.15: v1(108.65,40.25) 108.65,36.9 106.88,35.12 104.27,35.12 104,34.85 104,29.5 105.45,28.05 J9.2 ; R41.2 v1(105,40.25)
  BOTTOM w0.15: v1(105,40.25) v1(108.65,40.25)
UBUS_SOCKET_RX: length 24.4
  TOP w0.15: v1(115.6,45.65) 115.6,42.2 117,40.8 117,40.25 117.75,39.5 117.75,33.3 R50.2
  BOTTOM w0.15: v1(115.6,45.65) 110.52,45.65 J10.3
UBUS_SOCKET_SCK: length 18.4
  TOP w0.15: v1(118.7,36.5) 118.7,31.7 116.65,29.65 114.85,29.65 110.53,25.33 J9.4 ; v1(116.85,36.5) R42.2